# Altium PCB HIVE_BOARD.PcbDoc (part 5 of 9)
Units mm, origin at the board's own origin, x right, y up, seen from the top; angles counter-clockwise.
Board outline 110 x 110 mm, 8 copper layers (Top, GND_1, Signal_1, GND_2, PWR, Signal_2, GND_3, Bottom), stack 1.6 mm thick; 674 components, 474 nets, 2528 pads, 2100 vias.
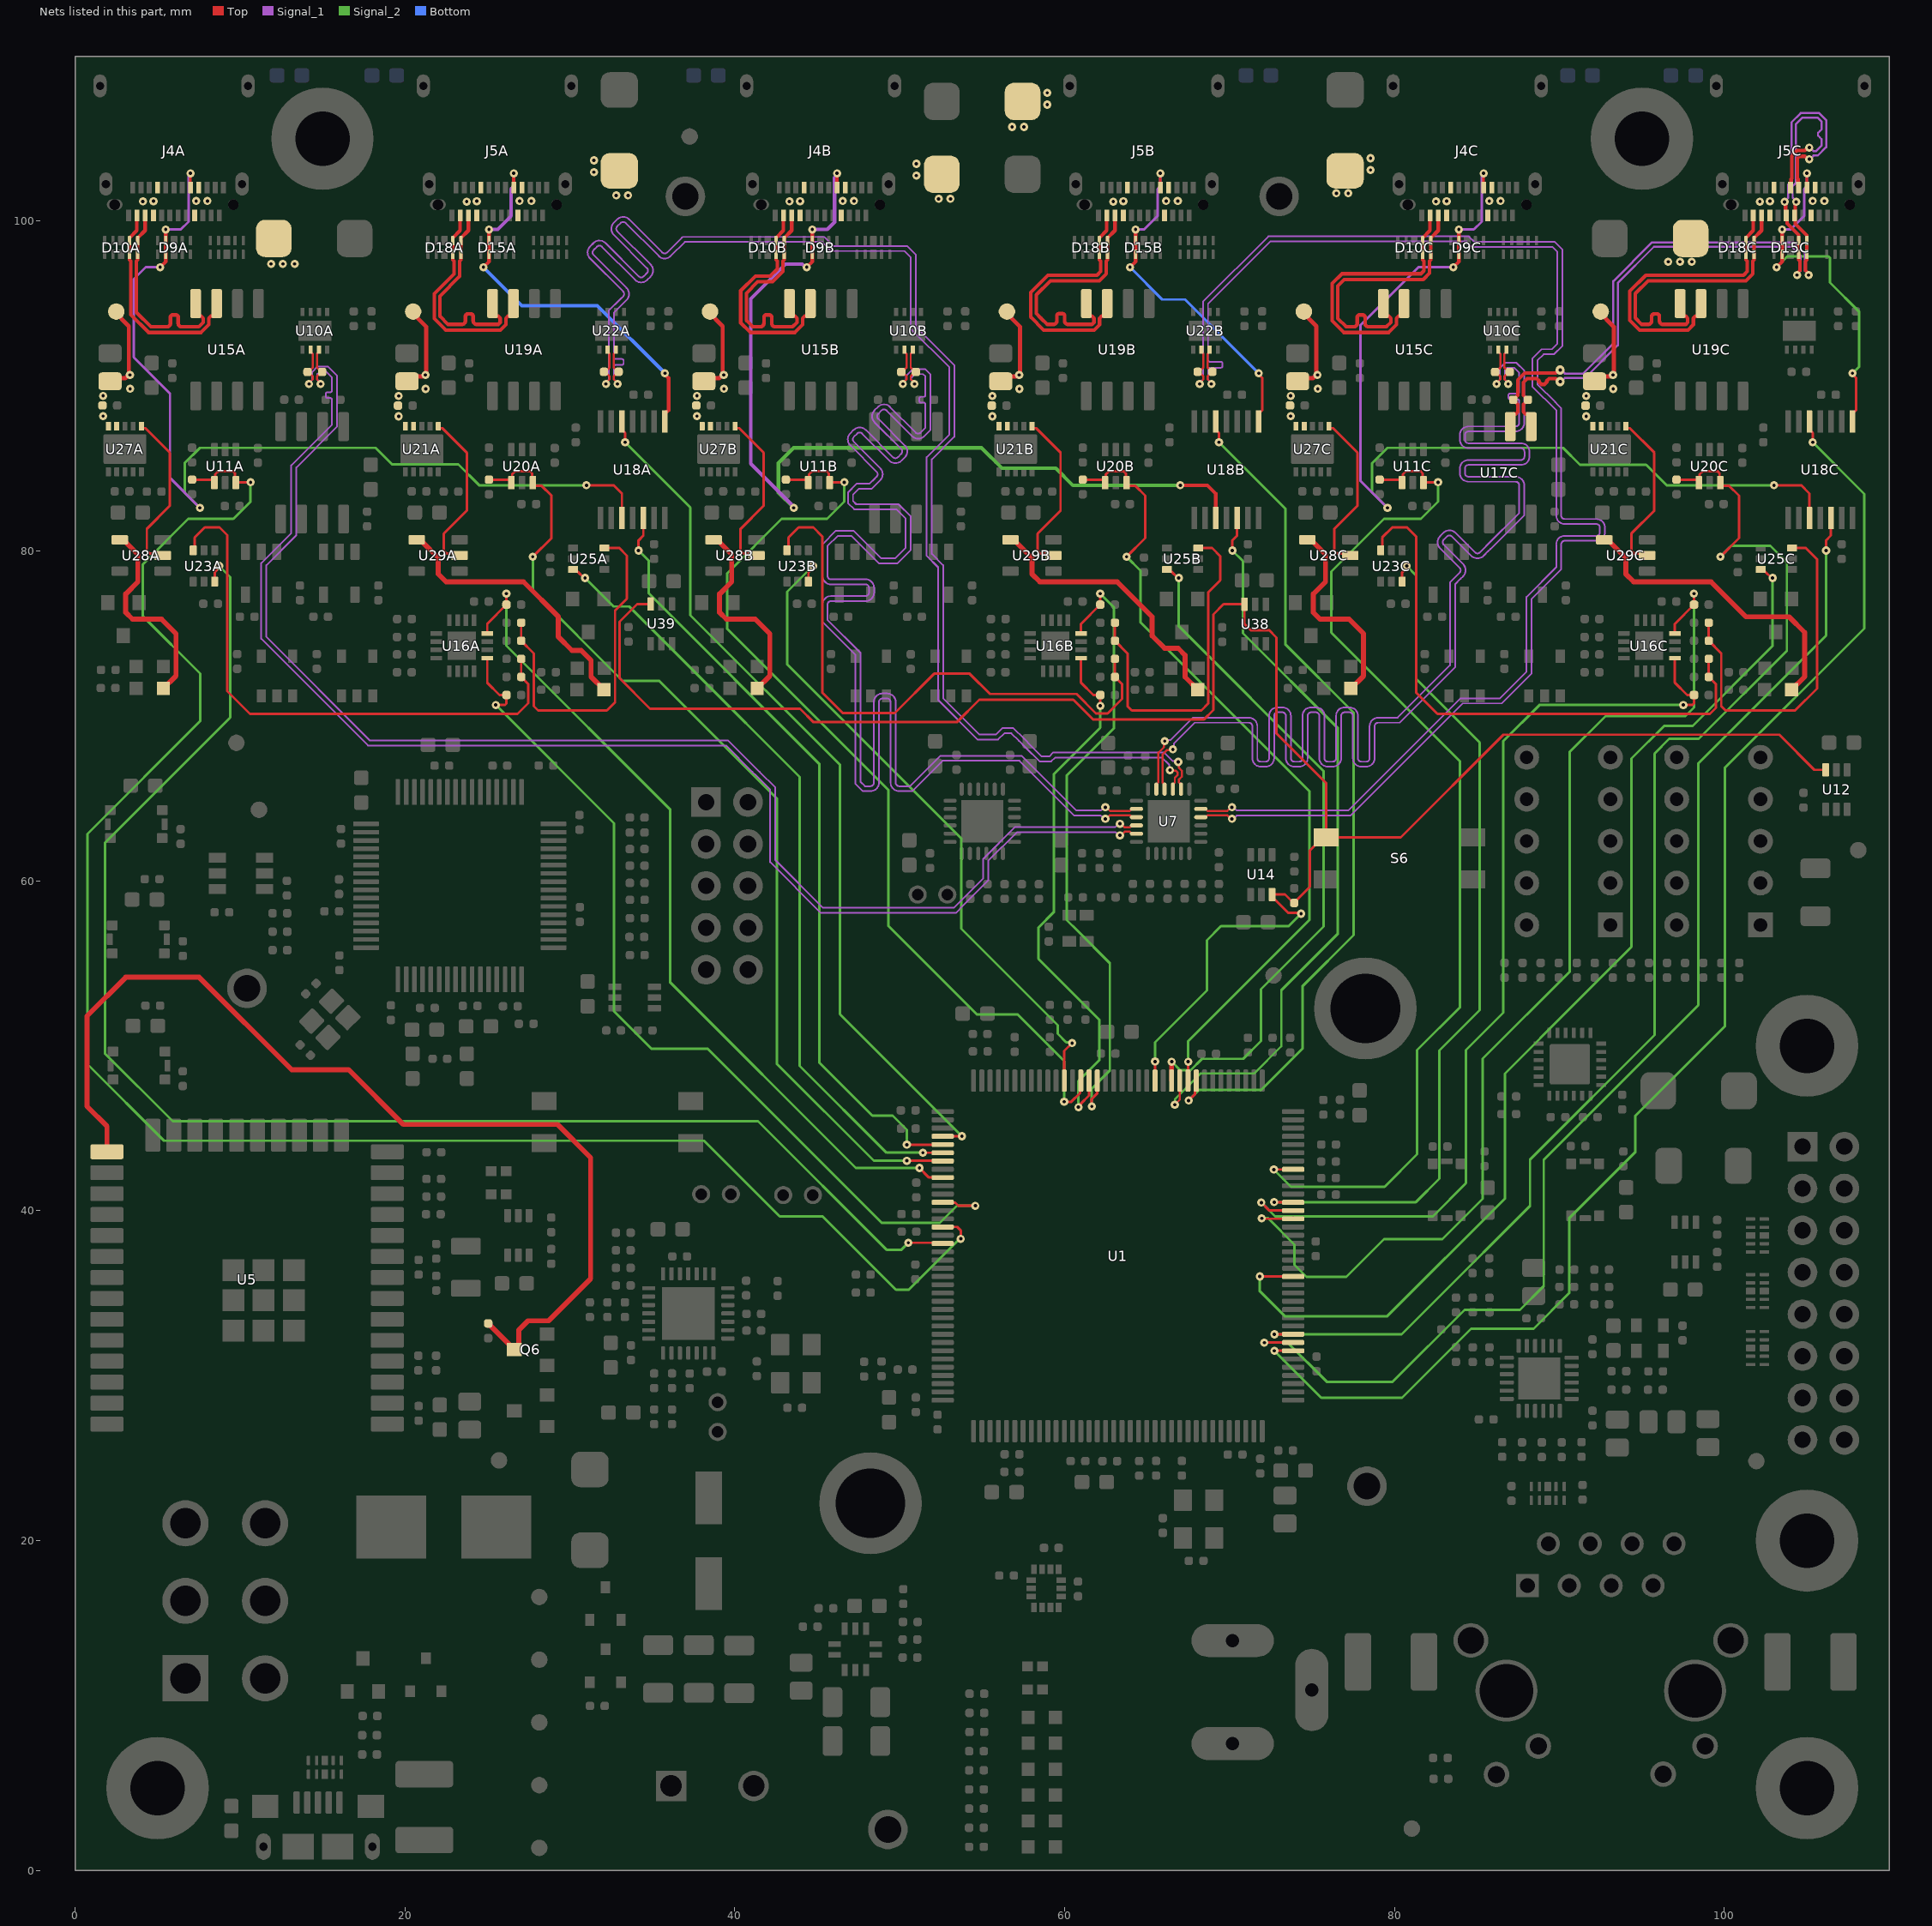
[diagram p11: the nets of this part, all layers, seen from the top]

## Via types
v1: diameter 0.5, hole 0.2, Top to Bottom, tented both sides, 1950 vias
v2: diameter 0.55, hole 0.2, Top to Bottom, tented both sides, 104 vias
v3: diameter 0.5, hole 0.2, Top to Bottom, 41 vias
v4: diameter 0.5, hole 0.2, Top to Bottom, tented bottom, 5 vias

## Nets (pads, with @x,y where several pads share a name; then routed paths per layer and width w, separated by ;. In a path a pad name is that pad's centre, name@x,y a point inside that pad or via, vN(x,y) a via of type N, cw(c..) or ccw(c..) an arc to the next point about the centre after c; other vN are vias at no path point) (continued)
BB_SPI_MISO_1C_N: D15C.2 D15C.9 J5C.A7 J5C.B7 R103C.2 U17C.1 | length 45.9
  Top w0.216: R103C.2@88.085,89.165 87.816,88.896 87.816,88.435 87.943,88.309 88.063,88.309 88.28,88.092 U17C.1@88.28,87.542 ; R103C.2@88.085,89.169 87.812,89.441 87.812,90.224 88.039,90.451 88.617,90.451 88.758,90.31 88.758,90.243 88.899,90.102 89.086,90.102 89.227,90.243 89.227,90.31 89.368,90.451 89.481,90.451 89.77,90.451 89.95,90.271 v2(90.041,90.271) ; v1(103.649,101.168) 103.708,101.109 103.708,100.382 J5C.A7@103.75,100.34 J5C.A7@103.791,100.299 ; J5C.A7@103.792,100.298 J5C.A7@103.791,100.299 ; v1(104.399,96.729) 104.399,96.82 104.578,96.999 104.578,97.234 104.578,97.581 104.508,97.652 104.508,97.975 D15C.9@104.5,97.982 ; 104.5,97.66 D15C.9@104.5,97.982 ; J5C.B7@104.5,102.04 104.458,102.082 104.458,102.54 104.421,102.576 104.421,103.575 104.417,103.58 104.417,103.808 104.543,103.934 104.872,103.934 105.052,103.754 v1(105.142,103.754) ; J5C.A7@103.791,100.299 103.791,99.854 104.492,99.153 104.492,98.826 D15C.2@104.5,98.817 D15C.9@104.5,97.982
  Signal_1 w0.127: v2(90.041,90.271) 90.109,90.271 90.327,90.489 91.545,90.489 93.531,92.474 93.531,96.249 95.727,98.445 104.084,98.445 104.617,97.912 104.617,96.99 104.399,96.772 v1(104.399,96.729) ; v1(103.649,101.168) 103.649,101.211 103.867,101.429 103.867,102.221 104.058,102.413 104.058,105.987 104.619,106.548 105.745,106.548 106.166,106.126 106.166,104.481 105.658,103.972 105.403,103.972 105.185,103.754 v1(105.142,103.754)
BB_SPI_MISO_1C_P: D15C.1 D15C.10 J5C.A6 J5C.B6 R103C.1 U17C.2 | length 45.9
  Top w0.216: U17C.2@87.01,87.542 87.01,88.092 87.227,88.309 87.347,88.309 87.473,88.435 87.473,88.892 R103C.1@87.196,89.169 87.469,89.441 87.469,90.366 87.897,90.794 89.77,90.794 89.95,90.973 v2(90.041,90.973) ; J5C.B6@104,102.04 104.042,102.082 104.042,102.54 104.079,102.576 104.079,103.294 104.074,103.299 104.074,103.95 104.401,104.277 104.872,104.277 105.052,104.457 v1(105.142,104.457) ; v1(104.351,101.168) 104.292,101.109 104.292,100.382 J5C.A6@104.25,100.34 104.292,100.298 104.292,99.838 105,99.13 D15C.10@105,97.982 ; 105,97.652 D15C.10@105,97.982 ; v1@105.101,96.82 104.921,96.999 104.921,97.376 104.921,97.581 104.992,97.652 104.992,97.975 D15C.10@105,97.982
  Signal_1 w0.127: v2(90.041,90.973) 90.109,90.973 90.327,90.756 91.435,90.756 93.264,92.585 93.264,96.36 95.616,98.712 104.194,98.712 104.883,98.023 104.883,96.99 105.101,96.772 v1(105.101,96.729) ; v1(104.351,101.168) 104.351,101.211 104.133,101.429 104.133,102.111 104.325,102.302 104.325,105.877 104.729,106.281 105.634,106.281 105.9,106.016 105.9,105.571 105.785,105.457 105.784,105.457 105.67,105.343 105.67,105.19 105.784,105.076 105.785,105.076 105.9,104.962 105.9,104.592 105.547,104.239 105.403,104.239 105.185,104.457 v1(105.142,104.457)
BB_SPI_MOSI_0A_N: D10A.1 D10A.10 J4A.A10 U15A.8 | length 13.2
  Top w0.216: J4A.A10@4.25,100.34 4.25,99.434 3.8,98.984 D10A.1@3.8,98.817 D10A.10@3.8,97.982 3.792,97.975 3.792,97.652 3.721,97.581 3.721,94.471 4.6,93.593 4.8,93.593 5.568,93.593 ccw(c5.568,93.809) 5.784,93.809 5.784,94.173 cw(c5.925,94.173) 5.925,94.314 6.113,94.314 cw(c6.113,94.173) 6.254,94.173 6.254,93.809 ccw(c6.47,93.809) 6.47,93.593 7.048,93.593 7.502,93.593 7.774,93.865 7.774,94.109 7.648,94.235 7.528,94.235 7.311,94.452 U15A.8@7.311,95.002
BB_SPI_MOSI_0A_P: D10A.2 D10A.9 J4A.A11 U15A.7 | length 13.2
  Top w0.216: J4A.A11@3.75,100.34 3.75,99.434 3.3,98.984 D10A.2@3.3,98.817 D10A.9@3.3,97.982 3.308,97.975 3.308,97.652 3.379,97.581 3.379,94.329 4.458,93.25 7.644,93.25 8.117,93.723 8.117,94.109 8.244,94.235 8.364,94.235 8.581,94.452 U15A.7@8.581,95.002
BB_SPI_MOSI_0B_N: D10B.1 D10B.10 J4B.A10 U15B.8 | length 13.9
  Top w0.216: U15B.8@43.311,95.002 43.311,94.452 43.528,94.235 43.648,94.235 43.774,94.109 43.774,93.865 43.502,93.593 43.028,93.593 42.45,93.593 cw(c42.45,93.809) 42.234,93.809 42.234,94.173 ccw(c42.093,94.173) 42.093,94.314 41.905,94.314 ccw(c41.905,94.173) 41.764,94.173 41.764,93.809 cw(c41.549,93.809) 41.549,93.593 41.087,93.593 40.701,93.979 40.701,95.632 41.39,96.321 42.289,96.321 42.922,96.953 42.922,97.581 42.992,97.652 42.992,97.975 43,97.983 43,98.984 43.45,99.434 J4B.A10@43.45,100.34
BB_SPI_MOSI_0B_P: D10B.2 D10B.9 J4B.A11 U15B.7 | length 13.9
  Top w0.216: J4B.A11@42.95,100.34 42.95,99.434 42.5,98.984 42.5,97.983 42.508,97.975 42.508,97.652 42.579,97.581 42.579,97.095 42.147,96.663 41.248,96.663 40.358,95.774 40.358,93.837 40.945,93.25 43.644,93.25 44.117,93.723 44.117,94.109 44.244,94.235 44.364,94.235 44.581,94.452 U15B.7@44.581,95.002
BB_SPI_MOSI_0C_N: D10C.1 D10C.10 J4C.A10 U15C.8 | length 17.6
  Top w0.216: U15C.8@79.311,95.002 79.311,94.452 79.528,94.235 79.648,94.235 79.774,94.109 79.774,93.865 79.502,93.593 79.002,93.593 78.425,93.593 cw(c78.425,93.809) 78.209,93.809 78.209,94.173 ccw(c78.068,94.173) 78.068,94.314 77.88,94.314 ccw(c77.88,94.173) 77.739,94.173 77.739,93.809 cw(c77.523,93.809) 77.523,93.593 77.065,93.593 76.562,94.096 76.562,96.075 76.953,96.466 81.74,96.466 82.122,96.848 82.122,97.581 82.192,97.652 82.192,97.975 D10C.10@82.2,97.982 82.2,98.984 82.65,99.434 J4C.A10@82.65,100.34
BB_SPI_MOSI_0C_P: D10C.2 D10C.9 J4C.A11 U15C.7 | length 17.6
  Top w0.216: U15C.7@80.581,95.002 80.581,94.452 80.364,94.235 80.244,94.235 80.117,94.109 80.117,93.723 79.644,93.25 76.923,93.25 76.219,93.954 76.219,96.217 76.811,96.809 81.598,96.809 81.779,96.99 81.779,97.581 81.708,97.652 81.708,97.975 D10C.9@81.7,97.982 81.7,98.984 82.15,99.434 J4C.A11@82.15,100.34
BB_SPI_MOSI_1A_N: D18A.1 D18A.10 J5A.A10 U19A.8 | length 12.9
  Top w0.216: D18A.1@23.392,98.825 D18A.1@23.4,98.817 D18A.10@23.4,97.982 23.392,97.975 23.392,97.652 23.321,97.581 23.321,96.655 22.116,95.45 22.116,94.239 22.617,93.739 22.801,93.739 23.452,93.739 ccw(c23.452,93.954) 23.668,93.954 23.668,94.23 cw(c23.809,94.23) 23.809,94.371 23.997,94.371 cw(c23.997,94.23) 24.138,94.23 24.138,93.954 ccw(c24.354,93.954) 24.354,93.739 24.932,93.739 25.648,93.739 25.774,93.865 25.774,94.109 25.648,94.235 25.528,94.235 25.311,94.452 U19A.8@25.311,95.002 ; D18A.1@23.4,98.984 23.85,99.434 J5A.A10@23.85,100.34
BB_SPI_MOSI_1A_P: D18A.2 D18A.9 J5A.A11 U19A.7 | length 12.9
  Top w0.216: D18A.9@22.9,97.982 D18A.2@22.9,98.817 D18A.2@22.908,98.825 ; D18A.2@22.9,98.984 23.35,99.434 J5A.A11@23.35,100.34 ; D18A.9@22.908,97.808 22.908,97.652 22.979,97.581 22.979,96.797 21.773,95.592 21.773,94.097 22.475,93.396 25.79,93.396 26.117,93.723 26.117,94.109 26.244,94.235 26.364,94.235 26.581,94.452 U19A.7@26.581,95.002
BB_SPI_MOSI_1B_N: D18B.1 D18B.10 J5B.A10 U19B.8 | length 15.7
  Top w0.216: U19B.8@61.311,95.002 61.311,94.452 61.528,94.235 61.648,94.235 61.774,94.109 61.774,93.865 61.648,93.739 60.787,93.739 60.209,93.739 cw(c60.209,93.954) 59.993,93.954 59.993,94.252 ccw(c59.852,94.252) 59.852,94.393 59.664,94.393 ccw(c59.664,94.252) 59.523,94.252 59.523,93.954 cw(c59.308,93.954) 59.308,93.739 58.945,93.739 58.554,94.129 58.281,94.402 58.281,95.534 59.13,96.383 62.098,96.383 62.522,96.807 62.522,97.581 62.592,97.652 62.592,97.975 62.6,97.983 62.6,98.818 D18B.1@62.592,98.826 ; D18B.1@62.6,98.984 63.05,99.434 J5B.A10@63.05,100.34
BB_SPI_MOSI_1B_P: D18B.2 D18B.9 J5B.A11 U19B.7 | length 15.7
  Top w0.216: D18B.9@62.1,97.983 D18B.2@62.1,98.817 D18B.2@62.108,98.826 ; D18B.2@62.1,98.984 62.55,99.434 J5B.A11@62.55,100.34 ; D18B.9@62.108,97.808 62.108,97.652 62.179,97.581 62.179,96.949 61.956,96.726 58.988,96.726 57.939,95.677 57.939,94.186 58.729,93.396 61.79,93.396 62.117,93.723 62.117,94.109 62.244,94.235 62.364,94.235 62.581,94.452 U19B.7@62.581,95.002
BB_SPI_MOSI_1C_N: D18C.1 D18C.10 J5C.A10 U19C.8 | length 18.4
  Top w0.216: U19C.8@97.311,95.002 97.311,94.452 97.528,94.235 97.648,94.235 97.774,94.109 97.774,93.865 97.648,93.739 96.852,93.739 96.274,93.739 cw(c96.274,93.954) 96.059,93.954 96.059,94.23 ccw(c95.918,94.23) 95.918,94.371 95.73,94.371 ccw(c95.73,94.23) 95.589,94.23 95.589,93.954 cw(c95.373,93.954) 95.373,93.739 94.993,93.739 94.601,94.13 94.601,95.611 95.373,96.383 101.299,96.383 101.722,96.806 101.722,97.581 101.792,97.652 101.792,97.975 D18C.10@101.8,97.982 D18C.1@101.8,98.817 D18C.1@101.792,98.826 ; D18C.1@101.8,98.984 102.25,99.434 J5C.A10@102.25,100.34
BB_SPI_MOSI_1C_P: D18C.2 D18C.9 J5C.A11 U19C.7 | length 18.4
  Top w0.216: U19C.7@98.581,95.002 98.581,94.452 98.364,94.235 98.244,94.235 98.117,94.109 98.117,93.723 97.79,93.396 94.851,93.396 94.258,93.988 94.258,95.753 95.231,96.726 101.157,96.726 101.379,96.948 101.379,97.581 101.308,97.652 D18C.9@101.308,97.808 ; D18C.9@101.3,97.982 D18C.2@101.3,98.817 D18C.2@101.308,98.826 ; D18C.2@101.3,98.984 101.75,99.434 J5C.A11@101.75,100.34
BB_SPI_nCS_0A: D9A.4 D9A.7 J4A.B8 U18A.3 | length 57.9
  Top w0.152: J4A.B8@7,102.04 v1(7,102.897) ; v1(31.005,83.988) 32.649,83.988 33.155,83.482 U18A.3@33.155,82
  Top w0.216: v1(5.156,97.206) 5.5,97.549 D9A.7@5.5,97.982 D9A.4@5.5,98.817 v1(5.5,99.495)
  Signal_1 w0.152: v1(5.156,97.206) 4.285,97.206 3.559,96.48 3.559,91.742 5.755,89.546 5.755,84.434 v1(7.57,82.619) ; v1(5.5,99.495) 6.405,99.495 6.883,99.973 6.883,102.687 7,102.803 v1(7,102.897)
  Signal_2 w0.152: v1(7.57,82.619) 6.644,83.545 6.644,85.325 7.573,86.254 18.215,86.254 19.218,85.252 23.234,85.252 24.498,83.988 v1(31.005,83.988)
BB_SPI_nCS_0B: D9B.4 D9B.7 J4B.B8 U18B.3 | length 58.5
  Top w0.216: v1(44.356,97.206) 44.7,97.55 v1(44.7,99.495) ; J4B.B8@46.2,102.04 v1(46.2,102.898) ; v1(67.005,83.988) 68.649,83.988 69.155,83.482 U18B.3@69.155,82
  Signal_1 w0.216: v1(43.57,82.619) 43.57,82.693 40.969,85.295 40.969,95.287 43.081,97.399 44.088,97.399 44.281,97.206 v1(44.356,97.206) ; v1(44.7,99.495) 45.605,99.495 46.05,99.941 46.05,102.629 46.058,102.637 46.058,102.679 46.2,102.821 v1(46.2,102.898)
  Signal_2 w0.216: v1(43.57,82.619) 42.644,83.545 42.644,85.325 43.573,86.254 54.961,86.254 56.192,85.023 59.463,85.023 60.498,83.988 v1(67.005,83.988)
BB_SPI_nCS_0C: D9C.4 D9C.7 J4C.B8 U18C.3 | length 59.3
  Top w0.152: J4C.B8@85.4,102.04 v1(85.4,102.897) ; v1(103.005,83.988) 104.649,83.988 105.155,83.482 U18C.3@105.155,82
  Top w0.216: v1(83.556,97.206) 83.9,97.549 v1(83.9,99.495)
  Signal_1 w0.152: v1(79.57,82.619) 77.923,84.266 77.923,93.677 81.452,97.206 v1(83.556,97.206) ; v1(83.9,99.495) 84.805,99.495 85.284,99.974 85.284,102.687 85.4,102.803 v1(85.4,102.897)
  Signal_2 w0.152: v1(79.57,82.619) 78.644,83.545 78.644,85.325 79.573,86.254 90.215,86.254 91.237,85.233 95.253,85.233 96.498,83.988 v1(103.005,83.988)
BB_SPI_nCS_1A: D15A.4 D15A.7 J5A.B8 U18A.8 | length 24.4
  Top w0.216: v1(24.756,97.206) 25.1,97.549 D15A.7@25.1,97.982 v1(25.1,99.495) ; J5A.B8@26.6,102.04 v1(26.6,102.897) ; U18A.8@35.755,87.85 35.755,88.35 35.854,88.449 35.896,88.449 35.985,88.538 35.985,90.492 35.763,90.713 v1(35.763,90.78)
  Signal_1 w0.216: v1(25.1,99.495) 25.622,99.495 26.441,100.315 26.441,101.953 26.6,102.111 v1(26.6,102.897)
  Bottom w0.216: v1(24.756,97.206) 27.084,94.878 31.665,94.878 v1(35.763,90.78)
BB_SPI_nCS_1B: D15B.4 D15B.7 J5B.B8 U18B.8 | length 21.2
  Top w0.152: J5B.B8@65.8,102.04 v1(65.8,102.898) ; U18B.8@71.755,87.85 71.755,88.35 71.854,88.449 71.896,88.449 71.985,88.538 71.985,90.492 71.763,90.713 v1(71.763,90.78)
  Top w0.216: v1(63.957,97.206) 64.3,97.55 D15B.7@64.3,97.983 ; D15B.7@64.3,97.983 v1(64.3,99.495)
  Signal_1 w0.152: v1(64.3,99.495) 64.822,99.495 65.641,100.315 65.641,101.953 65.8,102.111 v1(65.8,102.898)
  Bottom w0.152: v1(63.957,97.206) 65.913,95.25 67.293,95.25 v1(71.763,90.78)
BB_SPI_nCS_1C: D15C.4 D15C.7 J5C.B8 U18C.8 | length 22.2
  Top w0.152: J5C.B8@105,102.04 v1(105,102.897) ; U18C.8@107.755,87.85 107.755,88.35 107.854,88.449 107.896,88.449 107.985,88.538 107.985,90.492 107.763,90.713 v1(107.763,90.78)
  Top w0.216: v1(103.157,97.206) 103.5,97.549 D15C.7@103.5,97.982 v1(103.5,99.495)
  Signal_1 w0.152: v1(103.5,99.495) 104.022,99.495 104.842,100.315 104.842,101.953 105,102.111 v1(105,102.897)
  Signal_2 w0.152: v1(103.157,97.206) 103.812,97.862 106.301,97.862 106.39,97.772 106.39,96.279 108.171,94.498 108.171,91.188 v1(107.763,90.78)
BB_VIN_0A: C141A.2 D11A.1 J4A.A4 J4A.A9 J4A.B4 J4A.B9 R151A.1 TP6A.1 U27A.9 U27A.10 | length 5.5
  Top w0.254: C141A.2@2.125,90.285 2.317,90.477 3.056,90.477 3.263,90.685 3.263,93.626 TP6A.1@2.371,94.518
  other v1: 1.703,88.175 1.702,89.408 3.341,89.837 3.327,90.678 11.884,97.409 12.598,97.409 13.313,97.409 4.115,101.194 4.756,101.206 7.341,101.219 8.026,101.219
BB_VIN_0B: C141B.2 D11B.1 J4B.A4 J4B.A9 J4B.B4 J4B.B9 R151B.1 TP6B.1 U27B.9 U27B.10 | length 5.5
  Top w0.254: C141B.2@38.125,90.285 38.317,90.477 39.056,90.477 39.263,90.685 39.263,93.626 TP6B.1@38.371,94.518
  other v1: 37.703,88.175 37.702,89.408 39.341,89.837 39.327,90.678 43.315,101.194 43.957,101.207 46.541,101.219 47.226,101.219 52.36,101.35 53.075,101.35 51.006,102.76 51.006,103.474
BB_VIN_0C: C141C.2 D11C.1 J4C.A4 J4C.A9 J4C.B4 J4C.B9 R151C.1 TP6C.1 U27C.9 U27C.10 | length 5.5
  Top w0.254: C141C.2@74.125,90.285 74.317,90.477 75.056,90.477 75.263,90.685 75.263,93.626 TP6C.1@74.399,94.49
  other v1: 73.703,88.175 73.702,89.408 75.341,89.837 75.327,90.678 82.515,101.194 83.157,101.206 85.741,101.219 86.427,101.219 76.473,101.687 77.187,101.687 78.541,103.097 78.541,103.812
BB_VIN_1A: C127A.2 D16A.1 J5A.A4 J5A.A9 J5A.B4 J5A.B9 R152A.1 TP7A.1 U21A.9 U21A.10 | length 5.6
  Top w0.254: C127A.2@20.125,90.285 20.425,90.585 21.089,90.585 21.175,90.671 21.296,90.671 21.289,90.678 21.289,90.785 21.296,90.792 21.296,93.593 TP7A.1@20.371,94.518
  other v1: 19.617,88.168 19.616,89.401 21.256,89.83 21.242,90.671 23.748,101.183 24.356,101.206 26.949,101.219 27.661,101.219 32.813,101.56 33.527,101.56 31.459,102.97 31.459,103.684
BB_VIN_1B: C127B.2 D16B.1 J5B.A4 J5B.A9 J5B.B4 J5B.B9 R152B.1 TP7B.1 U21B.9 U21B.10 | length 5.6
  Top w0.254: C127B.2@56.125,90.285 56.425,90.585 57.089,90.585 57.175,90.671 57.296,90.671 57.289,90.678 57.289,90.785 57.296,90.792 57.296,93.593 TP7B.1@56.371,94.518
  other v1: 55.617,88.168 55.616,89.401 57.256,89.83 57.242,90.671 62.948,101.183 63.557,101.207 66.149,101.219 66.861,101.219 56.814,105.713 57.529,105.713 58.939,107.067 58.939,107.781
BB_VIN_1C: C127C.2 D16C.1 J5C.A4 J5C.A9 J5C.B4 J5C.B9 R152C.1 TP7C.1 U21C.9 U21C.10 | length 5.6
  Top w0.254: C127C.2@92.125,90.285 92.425,90.585 93.089,90.585 93.175,90.671 93.296,90.671 93.289,90.678 93.289,90.785 93.296,90.792 93.296,93.593 TP7C.1@92.371,94.518
  other v1: 91.617,88.168 91.616,89.401 93.256,89.83 93.242,90.671 96.589,97.536 97.304,97.536 98.019,97.536 102.148,101.183 102.757,101.206 105.35,101.219 106.061,101.219
BOOT_MODE: Q6.3 R92.1 U5.25 | length 60.5
  Top w0.305: U5.25@1.932,43.579 1.932,45.124 0.724,46.332 0.724,51.807 3.075,54.158 7.523,54.158 13.137,48.544 16.593,48.544 19.902,45.235 29.249,45.235 31.259,43.225 31.259,35.88 28.707,33.329 27.461,33.329 26.896,32.763 Q6.3@26.896,31.826 ; R92.1@25.051,33.167 Q6.3@26.326,31.892
CH_CL_PWR_EN: R96.2 S6.3 U1.86 U12.3 U14.3 U38.3 U39.3 | length 127.7
  Top w0.152: U39.3@34.9,76.785 34.071,76.785 33.006,75.719 33.006,72.29 34.864,70.433 43.961,70.433 44.773,69.621 53.457,69.621 54.826,70.989 60.524,70.989 61.734,69.779 68.427,69.779 69.012,70.364 69.012,76.155 69.631,76.774 U38.3@70.9,76.774 70.9,75.575 71.27,75.205 71.564,75.205 72.395,75.205 72.843,74.756 72.843,68.939 75.852,65.93 S6.3@75.852,62.635 ; U1.86@65.476,47.889 65.479,47.892 65.479,49.045 v1(65.481,49.047) ; v1(74.334,58.013) 74.282,58.065 73.55,58.065 72.762,58.853 72.699,58.853 72.575,58.977 U14.3@72.575,59.177 73.36,59.177 73.876,58.661 R96.2@73.914,58.661 73.914,58.689 74.865,59.641 74.865,61.848 75.652,62.635 S6.3@75.852,62.635 ; U12.3@106.138,66.734 105.452,66.734 103.323,68.863 86.598,68.863 80.371,62.635 S6.3@75.852,62.635
  Signal_2 w0.152: v1(65.481,49.047) 65.481,50.22 68.62,53.359 68.62,56.405 69.476,57.26 73.581,57.26 v1(74.334,58.013)
CHAN_DET_0A: R113A.2 U1.120 U16A.13 | length 55.4
  Top w0.152: U16A.13@24.994,73.506 24.994,72.012 25.738,71.268 R113A.2@26.156,71.268 26.156,70.756 26.067,70.667 v1(25.509,70.667) ; U1.120@52.601,40.514 52.632,40.484 53.37,40.484 53.551,40.303 v1(54.581,40.303)
  Signal_2 w0.152: v1(25.509,70.667) 32.675,63.501 32.675,52.097 34.939,49.834 38.339,49.834 48.903,39.27 52.431,39.27 53.463,40.303 v1(54.581,40.303)
CHAN_DET_0B: R113B.2 U1.94 U16B.13 | length 33.4
  Top w0.152: v1@60.899,46.279 60.975,46.355 60.975,46.484 61.476,46.986 U1.94@61.476,47.889 ; U16B.13@60.994,73.506 60.994,72.012 61.738,71.268 R113B.2@62.156,71.268 ; v1(62.156,70.612) R113B.2@62.156,71.268
  Signal_2 w0.152: v1(60.833,46.279) 60.833,47.865 62.112,49.144 62.112,51.565 58.406,55.271 58.406,57.169 59.336,58.098 59.336,66.463 62.156,69.283 v1(62.156,70.612)
CHAN_DET_0C: R113C.2 U1.60 U16C.13 | length 59.4
  Top w0.152: v1(71.923,40.498) 72.407,40.014 U1.60@73.851,40.014 ; U16C.13@96.994,73.506 96.994,72.012 97.738,71.268 R113C.2@98.156,71.268 98.156,70.756 98.067,70.667 v1(97.509,70.667)
  Signal_2 w0.152: v1(71.923,40.498) 72.756,39.665 82.318,39.665 84.328,41.676 84.328,49.74 86.595,52.007 86.595,68.475 88.782,70.663 97.504,70.663 v1(97.509,70.667)
CHAN_DET_1A: R124A.2 U1.117 U16A.16 | length 52
  Top w0.152: U16A.16@24.994,75.006 24.994,75.587 R124A.2@26.156,76.75 26.154,76.752 26.154,77.417 v1(26.152,77.419) ; v1(51.192,42.594) 51.771,42.014 U1.117@52.601,42.014
  Signal_2 w0.152: v1(26.152,77.419) 26.152,74.263 36.072,64.343 36.072,53.86 47.338,42.594 v1(51.192,42.594)
CHAN_DET_1B: R124B.2 U1.93 U16B.16 | length 38.7
  Top w0.152: U16B.16@60.994,75.006 60.994,75.587 R124B.2@62.156,76.75 62.154,76.752 62.154,77.417 v1(62.152,77.419) ; v1(61.643,46.327) 61.643,46.784 61.962,47.103 61.962,47.876 U1.93@61.976,47.889
  Signal_2 w0.152: v1@61.64,46.403 61.64,47.408 62.737,48.505 62.737,55.013 60.757,56.993 60.13,57.62 60.13,66.396 62.984,69.25 62.984,76.588 v1(62.152,77.419)
CHAN_DET_1C: R124C.2 U1.59 U16C.16 | length 67.2
  Top w0.152: v1@71.977,39.517 U1.59@73.849,39.517 ; U16C.16@96.994,75.006 96.994,75.587 R124C.2@98.156,76.75 98.154,76.752 98.154,77.417 v1(98.152,77.419)
  Top w0.305: v1(71.949,39.544) v1@71.977,39.517 ; U1.59@73.849,39.517 U1.59@73.851,39.514
  Signal_2 w0.152: v1(71.949,39.544) 72.342,39.544 73.936,37.951 73.936,36.716 74.663,35.989 77.07,35.989 79.364,38.283 82.897,38.283 85.344,40.73 85.344,49.224 90.627,54.507 90.627,67.834 92.793,70 97.636,70 98.152,70.516 v1(98.152,77.419)
CHAN_EN_0A: U1.125 U23A.6 | length 90
  Top w0.152: U23A.6@8.462,78.141 8.462,78.711 8.735,78.984 v1(8.735,79.091) ; v1(50.522,38.059) 52.557,38.059 U1.125@52.601,38.014
  Signal_2 w0.152: v1(8.735,79.091) 9.414,78.412 9.414,69.907 1.811,62.303 1.811,49.541 5.924,45.427 41.409,45.427 49.197,37.639 50.103,37.639 v1(50.522,38.059)
CHAN_EN_0B: U1.97 U23B.6 | length 40.4
  Top w0.152: U23B.6@44.462,78.141 44.462,78.711 44.735,78.984 v1(44.735,79.091) ; U1.97@59.976,47.889 59.976,49.689 v1(60.452,50.165)
  Signal_2 w0.152: v1(44.735,79.091) 43.179,77.535 43.179,73.124 53.726,62.577 53.726,57.098 59.572,51.252 59.572,50.729 60.091,50.21 60.407,50.21 v1(60.452,50.165)